# Altium PCB PCB_v5.PcbDoc (part 2 of 7)
Units mil, origin at the board's own origin, x right, y up, seen from the top; angles counter-clockwise.
Board outline 6750 x 6000 mil, 6 copper layers (Top Layer, Int1 (GND), Int2 (Sign), Int3 (Sign), Int4 (PWR), Bottom Layer), stack 61.067 mil thick; 472 components, 583 nets, 2516 pads, 977 vias.
Unrouted connection lines stored in the file: 28.
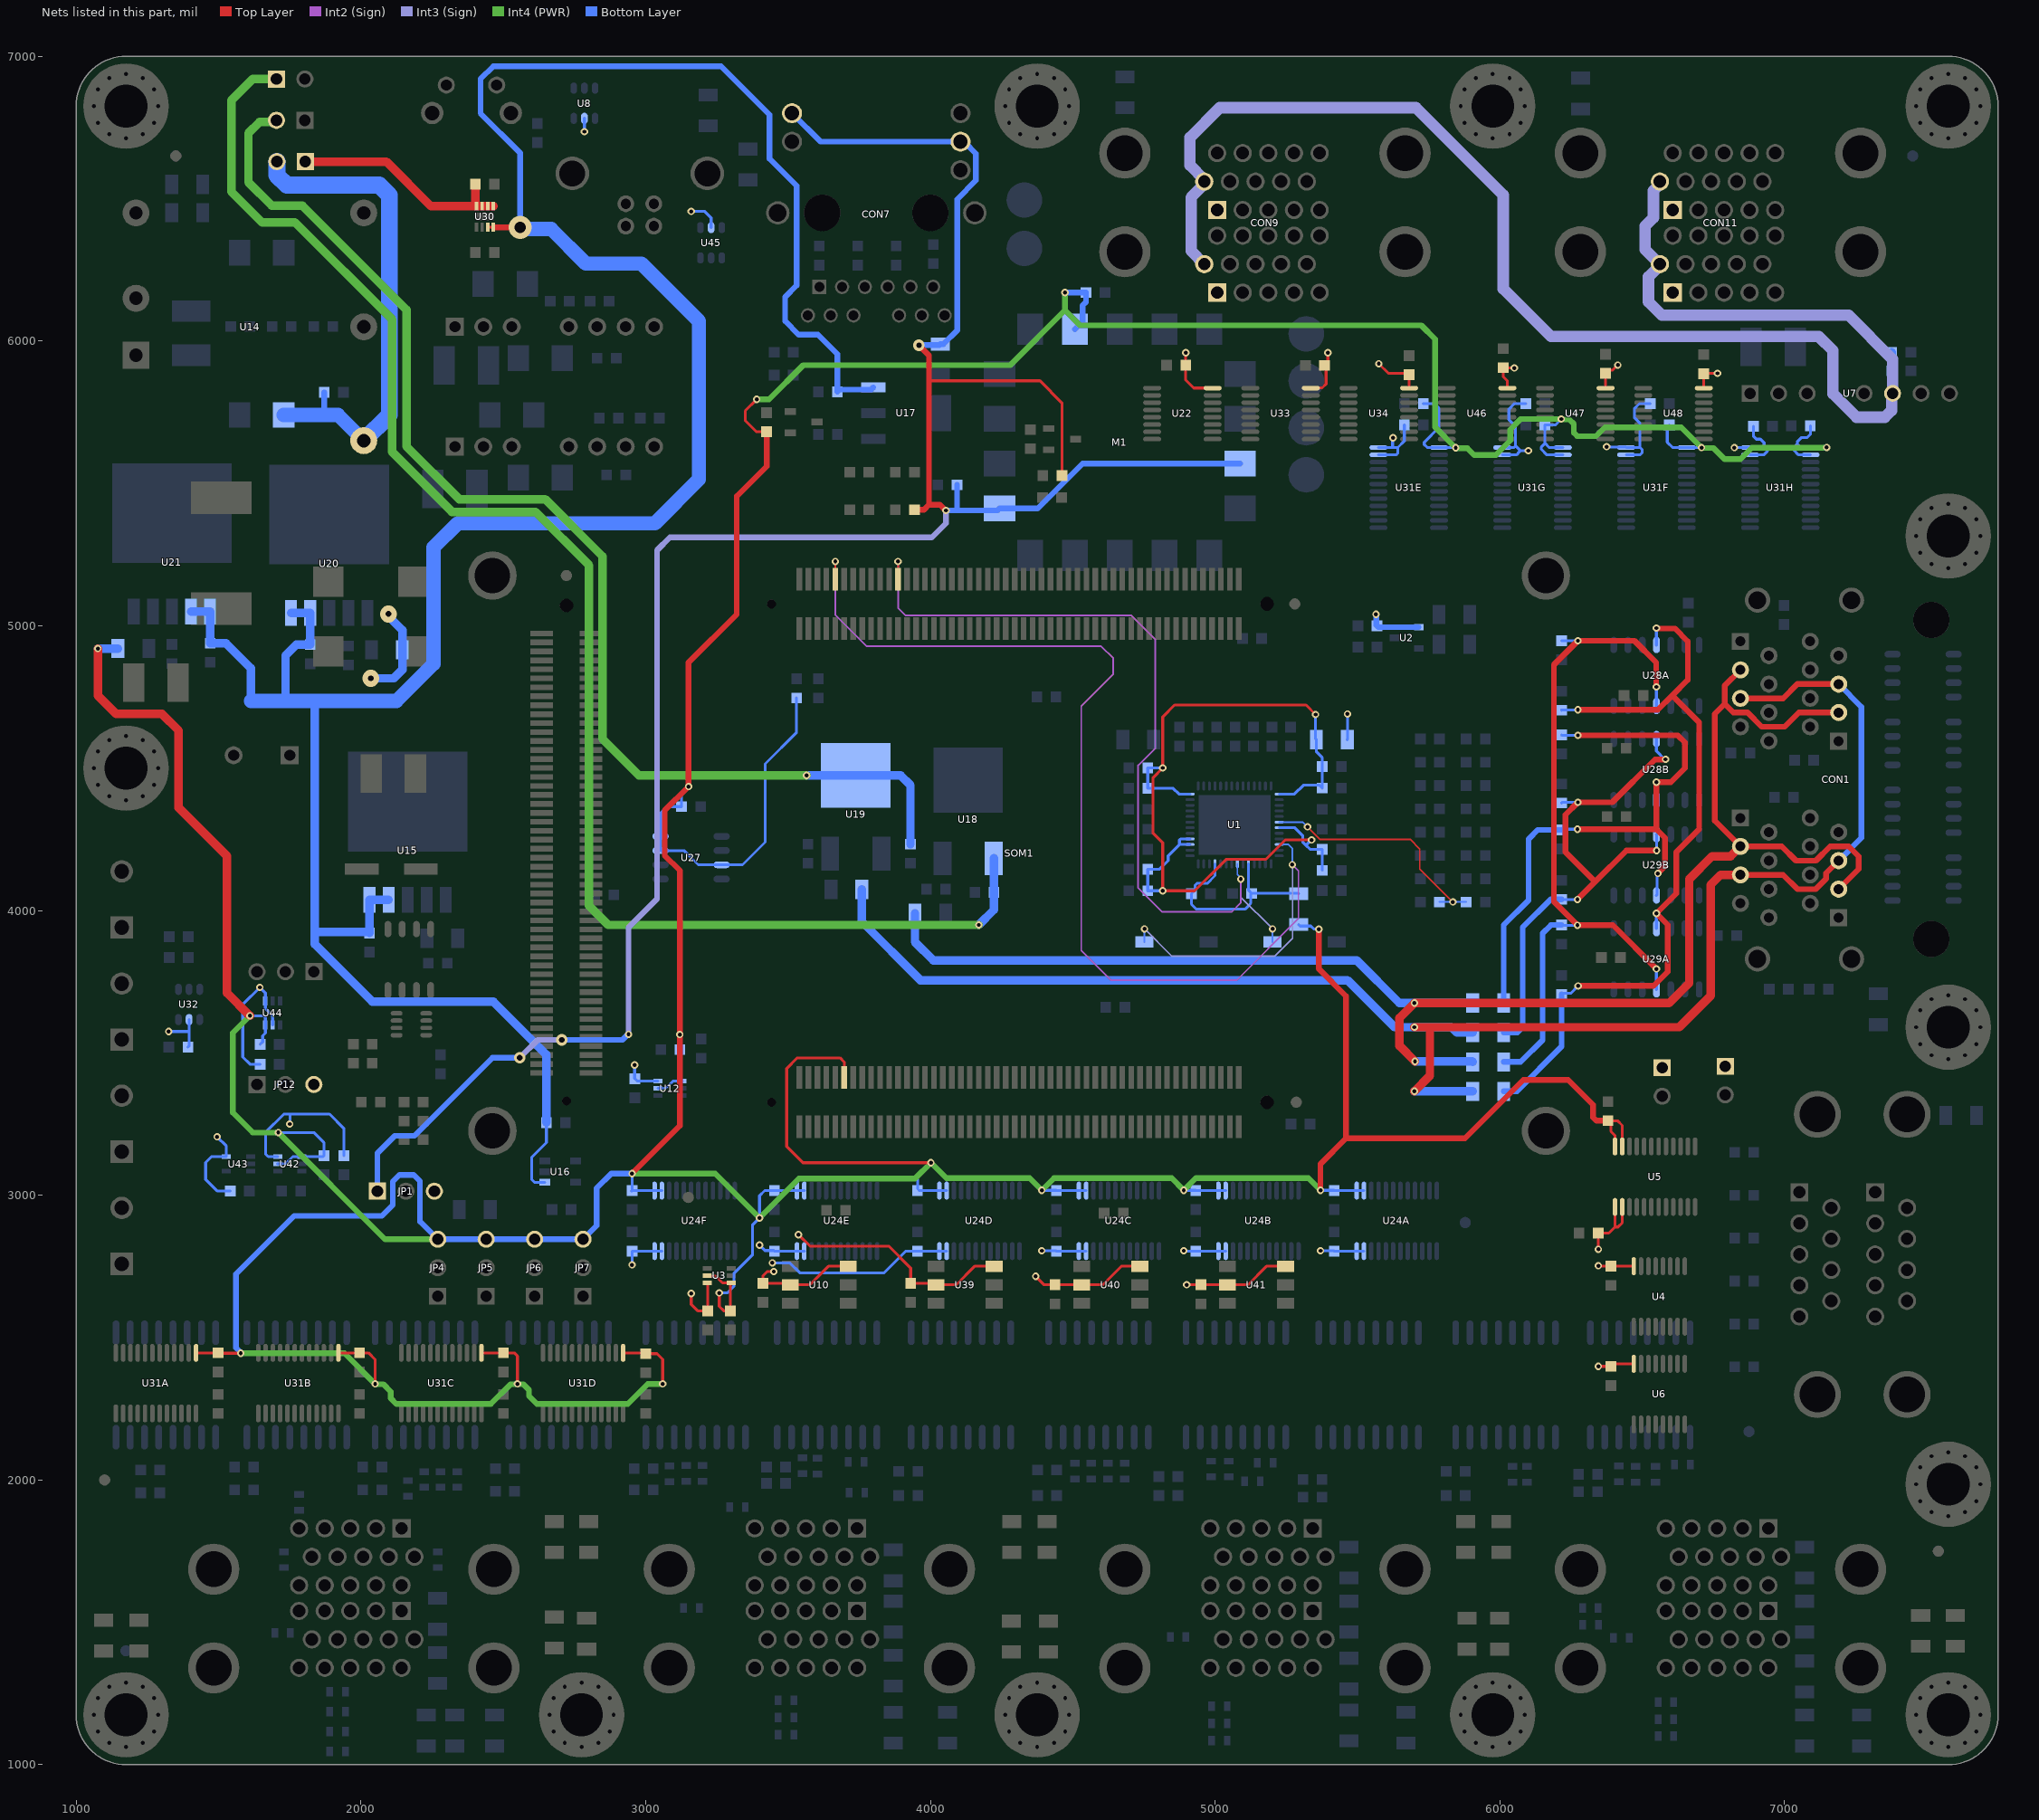
[diagram p6: the nets of this part, all layers, seen from the top]

## Footprints (in the part's own frame and the unit in brackets; to place one, negate y for a bottom-side part, rotate by r counter-clockwise, add the part's x,y. Pads: shape width x height; smd on the part's side, far side on the other; paste and mask are expansions set on the pad) (continued)
"CAP - UVR1H102MHD1TO" [mm] "CAP ALUM 1000UF 20% 50V RADIAL"
  rect 1.6x1.6 hole 1: 1(0,0)
  round 1.6 hole 1: 2(5.004,0)
  silkscreen extent -3.81,-6.35 8.89,6.35, body extent -3.75,-6.25 8.76,6.25, height 25.01
"CAP - UWT1V101MCL1GS" [mm] "100uF cap"
  rect 3x1 smd: 1(0.838,-3.302) 2(6.088,-3.302)
  silkscreen extent -0.79,-6.6 6.65,0, body extent 0.19,-6.44 6.49,-0.14, height 7.7
"CMC 744273801" [mm] "CMC 9UH 3.5A 2LN 800 OHM SMD"
  rect 2.7x2.7 smd: 1(0,0) 2(0,-6.2) 3(7.6,-6.223) 4(7.6,0)
  silkscreen extent -1.52,-7.75 9.02,1.52, body extent -0.89,-7.45 8.61,0.85, height 5.3
"DCDC SHHD003A0A41-SRZ" [mm] "DC/DC CONVERTER 15W 5V 3A"
  rect 2.4x2.4 hole 1.2: 1(-20.32,-12.7)
  round 2.4 hole 1.2: 2(-20.32,-7.62) 3(-20.32,0) 4(0,0) 5(0,-10.16) 6(0,-20.32)
  silkscreen extent -23.88,-22.86 4.44,2.16
DPAK229P991X238-3N [mm] "D-PAK, 3-Pads, Body 6.21x6.73mm (max), IPC Medium Density"
  rect 3x1.6 smd: 1(-4.08,2.285) 3(-4.08,-2.285)
  rect 5.8x6.2 smd: 4(2.9,0)
  silkscreen extent -4.22,-3.35 0.1,3.94, body extent -5.16,-3.37 4.75,3.37, height 2.38
FID_1mm [mm]
  round 1 smd mask+0.5: 1(0,0)
  Top Layer keep-out circle w0.1: c0,0 r1
IN-PI556FCH [mm] "LED RGB 5050 SMD"
  rect 1.5x1 smd: 1(2.6,-1.65) 2(2.6,0) 3(2.6,1.65) 4(-2.6,1.65) 5(-2.6,0) 6(-2.6,-1.65)
  silkscreen extent -2.5,-3.25 2.75,2.5, body extent -2.75,-2.5 2.75,2.5, height 1.55
JTAG-SMT3-NC [mm]
  rect 2.3x2.8 smd: 1(-8,1.4) 2(-4,1.4) 3(0,1.4) 4(4,1.4) 5(8,1.4) 10(8,21.6) 11(4,21.6) 12(0,21.6) 13(-4,21.6) 14(-8,21.6)
  rect 2.8x2.3 smd: 6(10.725,5.4) 7(10.725,9.4) 8(10.725,13.4) 9(10.725,17.4) 15(-10.725,17.4) 16(-10.725,13.4) 17(-10.725,9.4) 18(-10.725,5.4)
  silkscreen extent -11.9,0.1 11.9,22.7, body extent -11.33,0.68 11.42,22.18, height 2.52
L17H2220131 [mm] "CONN D-SUB RCPT 9POS R/A SLDR"
  rect 1.6x1.6 hole 1.1: 1B(5.54,2.84) 1T(5.54,9.6)
  round 1.6 hole 1.1: 2B(2.77,2.84) 2T(2.77,9.6) 3B(0,2.84) 3T(0,9.6) 4B(-2.77,2.84) 4T(-2.77,9.6) 5B(-5.54,2.84) 5T(-5.54,9.6) 6B(4.155,0) 6T(4.155,6.76) 7B(1.385,0) 7T(1.385,6.76) 8B(-1.385,0) 8T(-1.385,6.76) 9B(-4.155,0) 9T(-4.155,6.76)
  round 4.2 hole 3.2: SH1(-12.5,8) SH2(-12.5,0) SH3(12.5,0) SH4(12.5,8)
  silkscreen extent -15.5,-8.08 15.5,11.6, body extent -15.4,-13.8 15.41,11.6, height 31.67
L829-1J1T-43 [mil] "CONN MAGJACK 1PORT 1000 BASE-T"
  rect 50x50 hole 35.04: 1(-200,0)
  round 50 hole 35.04: 2(-120.08,0) 3(-40.08,0) 4(40,0) 5(119.92,0) 6(199.92,0) 7(-240,-100) 8(-160,-100) 9(-80,-100) 10(80,-100) 11(160,-100) 12(240,-100)
  round 70 hole 50: 13(-296,510) 14(-296,610) 15(296,410) 16(296,510) 17(296,610)
  round 82 hole 62: 18(-346,260) 19(346,260)
  round 127.95 hole 127.95: 20(-190,260) 21(190,260)
  silkscreen extent -346,-167 346,800, body extent -401,-167 401,800, height 493
MOUNTING_HOLE [mil]
  round 30 hole 14: 1(-112.5,0) 1(-98.43,-59.06) 1(-98.43,59.06) 1(-59.06,-98.43) 1(-59.06,98.43) 1(0,-112.5) 1(0,112.5) 1(59.06,-98.43) 1(59.06,98.43) 1(98.43,-59.06) 1(98.43,59.06) 1(112.5,0)
  round 300 hole 150: 1(0,0)
PicoZedSOM [mil] "PicoZed SOM Footprint"
  round 170 hole 125: 0(150,3850) 0(150,150) 0(2100,3850) 0(2100,150)
  round 30 hole 32.01 unplated: 0(250.5,2870) 0(255,3590) 0(2000.5,2870)
  round 45.98 hole 47.99 unplated: 0(250.5,1130) 0(1995,3590) 0(2000.5,1130)
  rect 80x20 smd: JX1-1(2087.11,2771.65) JX1-2(1913.89,2771.65) JX1-3(2087.11,2740.16) JX1-4(1913.89,2740.16) JX1-5(2087.11,2708.66) JX1-6(1913.89,2708.66) JX1-7(2087.11,2677.17) JX1-8(1913.89,2677.17) JX1-9(2087.11,2645.67) JX1-10(1913.89,2645.67) JX1-11(2087.11,2614.17) JX1-12(1913.89,2614.17) JX1-13(2087.11,2582.68) JX1-14(1913.89,2582.68) JX1-15(2087.11,2551.18) JX1-16(1913.89,2551.18) JX1-17(2087.11,2519.69) JX1-18(1913.89,2519.69) JX1-19(2087.11,2488.19) JX1-20(1913.89,2488.19) JX1-21(2087.11,2456.69) JX1-22(1913.89,2456.69) JX1-23(2087.11,2425.2) JX1-24(1913.89,2425.2) JX1-25(2087.11,2393.7) JX1-26(1913.89,2393.7) JX1-27(2087.11,2362.2) JX1-28(1913.89,2362.21) JX1-29(2087.11,2330.71) JX1-30(1913.89,2330.71) JX1-31(2087.11,2299.21) JX1-32(1913.89,2299.21) JX1-33(2087.11,2267.72) JX1-34(1913.89,2267.72) JX1-35(2087.11,2236.22) JX1-36(1913.89,2236.22) JX1-37(2087.11,2204.72) JX1-38(1913.89,2204.73) JX1-39(2087.11,2173.23) JX1-40(1913.89,2173.23) JX1-41(2087.11,2141.73) JX1-42(1913.89,2141.73) JX1-43(2087.11,2110.24) JX1-44(1913.89,2110.24) JX1-45(2087.11,2078.74) JX1-46(1913.89,2078.74) JX1-47(2087.11,2047.24) JX1-48(1913.89,2047.25) JX1-49(2087.11,2015.75) JX1-50(1913.89,2015.75) JX1-51(2087.11,1984.25) JX1-52(1913.89,1984.25) JX1-53(2087.11,1952.76) JX1-54(1913.89,1952.76) JX1-55(2087.11,1921.26) JX1-56(1913.89,1921.26) JX1-57(2087.11,1889.76) JX1-58(1913.89,1889.77) JX1-59(2087.11,1858.27) JX1-60(1913.89,1858.27) JX1-61(2087.11,1826.77) JX1-62(1913.89,1826.77) JX1-63(2087.11,1795.28) JX1-64(1913.89,1795.28) JX1-65(2087.11,1763.78) JX1-66(1913.89,1763.78) JX1-67(2087.11,1732.28) JX1-68(1913.89,1732.29) JX1-69(2087.11,1700.79) JX1-70(1913.89,1700.79) JX1-71(2087.11,1669.29) JX1-72(1913.89,1669.29) JX1-73(2087.11,1637.8) JX1-74(1913.89,1637.8) JX1-75(2087.11,1606.3) JX1-76(1913.89,1606.3) JX1-77(2087.11,1574.8) JX1-78(1913.89,1574.81) JX1-79(2087.11,1543.31) JX1-80(1913.89,1543.31) JX1-81(2087.11,1511.81) JX1-82(1913.89,1511.81) JX1-83(2087.11,1480.31) JX1-84(1913.89,1480.32) JX1-85(2087.11,1448.82) JX1-86(1913.89,1448.82) JX1-87(2087.11,1417.32) JX1-88(1913.89,1417.33) JX1-89(2087.11,1385.83) JX1-90(1913.89,1385.83) JX1-91(2087.11,1354.33) JX1-92(1913.89,1354.33) JX1-93(2087.11,1322.83) JX1-94(1913.89,1322.84) JX1-95(2087.11,1291.34) JX1-96(1913.89,1291.34) JX1-97(2087.11,1259.84) JX1-98(1913.89,1259.85) JX1-99(2087.11,1228.35) JX1-100(1913.89,1228.35) JX2-1(337.11,2771.65) JX2-2(163.89,2771.65) JX2-3(337.11,2740.16) JX2-4(163.89,2740.16) JX2-5(337.11,2708.66) JX2-6(163.89,2708.66) JX2-7(337.11,2677.17) JX2-8(163.89,2677.17) JX2-9(337.11,2645.67) JX2-10(163.89,2645.67) JX2-11(337.11,2614.17) JX2-12(163.89,2614.17) JX2-13(337.11,2582.68) JX2-14(163.89,2582.68) JX2-15(337.11,2551.18) JX2-16(163.89,2551.18) JX2-17(337.11,2519.69) JX2-18(163.89,2519.69) JX2-19(337.11,2488.19) JX2-20(163.89,2488.19) JX2-21(337.11,2456.69) JX2-22(163.89,2456.69) JX2-23(337.11,2425.2) JX2-24(163.89,2425.2) JX2-25(337.11,2393.7) JX2-26(163.89,2393.7) JX2-27(337.11,2362.2) JX2-28(163.89,2362.21) JX2-29(337.11,2330.71) JX2-30(163.89,2330.71) JX2-31(337.11,2299.21) JX2-32(163.89,2299.21) JX2-33(337.11,2267.72) JX2-34(163.89,2267.72) JX2-35(337.11,2236.22) JX2-36(163.89,2236.22) JX2-37(337.11,2204.72) JX2-38(163.89,2204.73) JX2-39(337.11,2173.23) JX2-40(163.89,2173.23) JX2-41(337.11,2141.73) JX2-42(163.89,2141.73) JX2-43(337.11,2110.24) JX2-44(163.89,2110.24) JX2-45(337.11,2078.74) JX2-46(163.89,2078.74) JX2-47(337.11,2047.24) JX2-48(163.89,2047.25) JX2-49(337.11,2015.75) JX2-50(163.89,2015.75) JX2-51(337.11,1984.25) JX2-52(163.89,1984.25) JX2-53(337.11,1952.76) JX2-54(163.89,1952.76) JX2-55(337.11,1921.26) JX2-56(163.89,1921.26) JX2-57(337.11,1889.76) JX2-58(163.89,1889.77) JX2-59(337.11,1858.27) JX2-60(163.89,1858.27) JX2-61(337.11,1826.77) JX2-62(163.89,1826.77) JX2-63(337.11,1795.28) JX2-64(163.89,1795.28) JX2-65(337.11,1763.78) JX2-66(163.89,1763.78) JX2-67(337.11,1732.28) JX2-68(163.89,1732.29) JX2-69(337.11,1700.79) JX2-70(163.89,1700.79) JX2-71(337.11,1669.29) JX2-72(163.89,1669.29) JX2-73(337.11,1637.8) JX2-74(163.89,1637.8) JX2-75(337.11,1606.3) JX2-76(163.89,1606.3) JX2-77(337.11,1574.8) JX2-78(163.89,1574.81) JX2-79(337.11,1543.31) JX2-80(163.89,1543.31) JX2-81(337.11,1511.81) JX2-82(163.89,1511.81) JX2-83(337.11,1480.31) JX2-84(163.89,1480.32) JX2-85(337.11,1448.82) JX2-86(163.89,1448.82) JX2-87(337.11,1417.32) JX2-88(163.89,1417.33) JX2-89(337.11,1385.83) JX2-90(163.89,1385.83) JX2-91(337.11,1354.33) JX2-92(163.89,1354.33) JX2-93(337.11,1322.83) JX2-94(163.89,1322.84) JX2-95(337.11,1291.34) JX2-96(163.89,1291.34) JX2-97(337.11,1259.84) JX2-98(163.89,1259.85) JX2-99(337.11,1228.35) JX2-100(163.89,1228.35)
  rect 20x80 smd: JX3-1(353.35,3676.61) JX3-2(353.35,3503.39) JX3-3(384.84,3676.61) JX3-4(384.84,3503.39) JX3-5(416.34,3676.61) JX3-6(416.34,3503.39) JX3-7(447.83,3676.61) JX3-8(447.83,3503.39) JX3-9(479.33,3676.61) JX3-10(479.33,3503.39) JX3-11(510.83,3676.61) JX3-12(510.83,3503.39) JX3-13(542.32,3676.61) JX3-14(542.32,3503.39) JX3-15(573.82,3676.61) JX3-16(573.82,3503.39) JX3-17(605.31,3676.61) JX3-18(605.31,3503.39) JX3-19(636.81,3676.61) JX3-20(636.81,3503.39) JX3-21(668.31,3676.61) JX3-22(668.31,3503.39) JX3-23(699.8,3676.61) JX3-24(699.8,3503.39) JX3-25(731.3,3676.61) JX3-26(731.3,3503.39) JX3-27(762.8,3676.61) JX3-28(762.79,3503.39) JX3-29(794.29,3676.61) JX3-30(794.29,3503.39) JX3-31(825.79,3676.61) JX3-32(825.79,3503.39) JX3-33(857.28,3676.61) JX3-34(857.28,3503.39) JX3-35(888.78,3676.61) JX3-36(888.78,3503.39) JX3-37(920.28,3676.61) JX3-38(920.27,3503.39) JX3-39(951.77,3676.61) JX3-40(951.77,3503.39) JX3-41(983.27,3676.61) JX3-42(983.27,3503.39) JX3-43(1014.76,3676.61) JX3-44(1014.76,3503.39) JX3-45(1046.26,3676.61) JX3-46(1046.26,3503.39) JX3-47(1077.76,3676.61) JX3-48(1077.75,3503.39) JX3-49(1109.25,3676.61) JX3-50(1109.25,3503.39) JX3-51(1140.75,3676.61) JX3-52(1140.75,3503.39) JX3-53(1172.24,3676.61) JX3-54(1172.24,3503.39) JX3-55(1203.74,3676.61) JX3-56(1203.74,3503.39) JX3-57(1235.24,3676.61) JX3-58(1235.23,3503.39) JX3-59(1266.73,3676.61) JX3-60(1266.73,3503.39) JX3-61(1298.23,3676.61) JX3-62(1298.23,3503.39) JX3-63(1329.72,3676.61) JX3-64(1329.72,3503.39) JX3-65(1361.22,3676.61) JX3-66(1361.22,3503.39) JX3-67(1392.72,3676.61) JX3-68(1392.71,3503.39) JX3-69(1424.21,3676.61) JX3-70(1424.21,3503.39) JX3-71(1455.71,3676.61) JX3-72(1455.71,3503.39) JX3-73(1487.2,3676.61) JX3-74(1487.2,3503.39) JX3-75(1518.7,3676.61) JX3-76(1518.7,3503.39) JX3-77(1550.2,3676.61) JX3-78(1550.19,3503.39) JX3-79(1581.69,3676.61) JX3-80(1581.69,3503.39) JX3-81(1613.19,3676.61) JX3-82(1613.19,3503.39) JX3-83(1644.69,3676.61) JX3-84(1644.68,3503.39) JX3-85(1676.18,3676.61) JX3-86(1676.18,3503.39) JX3-87(1707.68,3676.61) JX3-88(1707.67,3503.39) JX3-89(1739.17,3676.61) JX3-90(1739.17,3503.39) JX3-91(1770.67,3676.61) JX3-92(1770.67,3503.39) JX3-93(1802.17,3676.61) JX3-94(1802.16,3503.39) JX3-95(1833.66,3676.61) JX3-96(1833.66,3503.39) JX3-97(1865.16,3676.61) JX3-98(1865.15,3503.39) JX3-99(1896.65,3676.61) JX3-100(1896.65,3503.39)
  Top Layer keep-out circle w4: c150,150 r150
  Top Layer keep-out circle w4: c2100,3850 r150
  Top Layer keep-out circle w4: c150,3850 r150
  Top Layer keep-out circle w4: c2100,150 r150
  Bottom Layer keep-out circle w4: c150,150 r150
  Bottom Layer keep-out circle w4: c2100,3850 r150
  Bottom Layer keep-out circle w4: c150,3850 r150
  Bottom Layer keep-out circle w4: c2100,150 r150
  silkscreen extent 0,0 2250,4000, body extent -1,0 2250,4000, height 186
PIN_HEADER_1x2 [mil]
  rect 60x60 hole 40.16: 1(-50,0)
  round 60 hole 40.16: 2(50,0)
PIN_HEADER_1X3 [mil]
  rect 60x60 hole 40.16: 1(-100,0)
  round 60 hole 40.16: 2(0,0) 3(100,0)
PQQ6W-Q24-S24-S [mm] "DC-DC ISOLATED, 6 W, 9~36 VDC IN"
  rect 1.5x1.5 hole 1: 1(-5.08,0)
  round 1.5 hole 1: 2(-2.54,0) 3(0,0) 5(5.08,0) 6(7.62,0) 7(10.16,0) 8(12.7,0)
  silkscreen extent -7.17,-6.8 14.83,2.7, body extent -7.17,-6.8 14.83,2.7, height 12.05
PTCC1607X06N [mm] "Chip PTC, 2-Leads, Body 1.60x0.73mm, IPC Medium Density"
  rect 0.6x0.85 smd: 1(-0.7,0) 2(0.7,0)
  body extent -0.8,-0.4 0.8,0.4, height 0.39
QFN50P700X800X80_HS-53N [mm] "QFN, 52-Leads, Body 7.00x8.00mm, Pitch 0.50mm, Thermal Pad 5.41x6.45mm, IPC Medium Density"
  oval 0.8x0.25 smd mask+0.05: 1(-3.475,3.25) 2(-3.475,2.75) 3(-3.475,2.25) 4(-3.475,1.75) 5(-3.475,1.25) 6(-3.475,0.75) 7(-3.475,0.25) 8(-3.475,-0.25) 9(-3.475,-0.75) 10(-3.475,-1.25) 11(-3.475,-1.75) 12(-3.475,-2.25) 13(-3.475,-2.75) 14(-3.475,-3.25) 27(3.475,-3.25) 28(3.475,-2.75) 29(3.475,-2.25) 30(3.475,-1.75) 31(3.475,-1.25) 32(3.475,-0.75) 33(3.475,-0.25) 34(3.475,0.25) 35(3.475,0.75) 36(3.475,1.25) 37(3.475,1.75) 38(3.475,2.25) 39(3.475,2.75) 40(3.475,3.25)
  oval 0.25x0.8 smd mask+0.05: 15(-2.75,-3.975) 16(-2.25,-3.975) 17(-1.75,-3.975) 18(-1.25,-3.975) 19(-0.75,-3.975) 20(-0.25,-3.975) 21(0.25,-3.975) 22(0.75,-3.975) 23(1.25,-3.975) 24(1.75,-3.975) 25(2.25,-3.975) 26(2.75,-3.975) 41(2.75,3.975) 42(2.25,3.975) 43(1.75,3.975) 44(1.25,3.975) 45(0.75,3.975) 46(0.25,3.975) 47(-0.25,3.975) 48(-0.75,3.975) 49(-1.25,3.975) 50(-1.75,3.975) 51(-2.25,3.975) 52(-2.75,3.975)
  rect 5.3x6.4 smd mask+0.05: 53(0,0)
  silkscreen extent -4.47,-4.2 3.7,4.2, body extent -3.56,-4.06 3.56,4.06, height 0.8
RCU-0C [mm] "0603 PROBE PAD"
  rect 1x1.6 smd: 1(0,0)
  body extent -0.44,-0.8 0.46,0.8, height 1.12
RJSAE538004 [mil] "CONN MOD JACK 8P8C R/A SHIELDED"
  rect 60x60 hole 35: 1A(425,670) 1B(1045,670) 1C(75,325) 1D(695,325)
  round 60 hole 35: 2A(375,570) 2B(995,570) 2C(125,425) 2D(745,425) 3A(325,670) 3B(945,670) 3C(175,325) 3D(795,325) 4A(275,570) 4B(895,570) 4C(225,425) 4D(845,425) 5A(225,670) 5B(845,670) 5C(275,325) 5D(895,325) 6A(175,570) 6B(795,570) 6C(325,425) 6D(945,425) 7A(125,670) 7B(745,670) 7C(375,325) 7D(995,325) 8A(75,570) 8B(695,570) 8C(425,425) 8D(1045,425)
  round 88.58 hole 62: SH1(-70,610) SH2(-70,280) SH3(1190,610) SH4(1190,280)
  round 127.95 hole 128: ""(0,0) ""(1120,0)
  silkscreen extent -70,-230 1190,900, body extent -137,-450 1257,900, height 1094
"RS6 DCDC" [mm]
  rect 1.6x1.6 hole 1: 1(0,0)
  round 1.6 hole 1: 2(2.54,0) 3(5.08,0) 5(10.16,0) 6(12.7,0) 7(15.24,0) 8(17.78,0)
  silkscreen extent -2.16,-6.08 19.94,3.3, body extent -2.03,-5.97 19.81,3.17, height 11.1
"SOIC16_N - wide" [mm]
  oval 2.2x0.6 smd: 1(0,0) 2(0,-1.27) 3(0,-2.54) 4(0,-3.81) 5(0,-5.08) 6(0,-6.35) 7(0,-7.62) 8(0,-8.89) 9(9.32,-8.89) 10(9.32,-7.62) 11(9.32,-6.35) 12(9.32,-5.08) 13(9.32,-3.81) 14(9.32,-2.54) 15(9.32,-1.27) 16(9.32,0)
  silkscreen extent -0.12,-9.45 7.62,0.97, body extent -0.55,-9.57 9.75,0.63, height 3.5
SOIC127P600X175-8N [mm] "SOIC, 8-Leads, Body 4.90x3.90mm, Pitch 1.27mm, IPC Medium Density"
  oval 1.45x0.6 smd: 1(-2.725,1.905) 2(-2.725,0.635) 3(-2.725,-0.635) 4(-2.725,-1.905) 5(2.725,-1.905) 6(2.725,-0.635) 7(2.725,0.635) 8(2.725,1.905)
  silkscreen extent -2.85,-2.5 1.6,2.88, body extent -3,-2.5 3,2.5, height 1.75
SOIC127P600X175-14N [mm] "SOIC, 14-Leads, Body 8.65x3.90mm, Pitch 1.27mm, IPC Medium Density"
  oval 1.45x0.6 smd: 1(-2.725,3.81) 2(-2.725,2.54) 3(-2.725,1.27) 4(-2.725,0) 5(-2.725,-1.27) 6(-2.725,-2.54) 7(-2.725,-3.81) 8(2.725,-3.81) 9(2.725,-2.54) 10(2.725,-1.27) 11(2.725,0) 12(2.725,1.27) 13(2.725,2.54) 14(2.725,3.81)
  silkscreen extent -2.85,-4.35 1.6,4.78, body extent -3,-4.35 3,4.35, height 1.75
SON50P200X80_HS-9N [mm] "SON, 8-Leads, Body 2.00x2.00mm, Pitch 0.50mm, Thermal Pad 1.60x0.69mm, IPC Medium Density"
  rect 0.8x0.3 smd: 1(-0.945,0.75) 2(-0.945,0.25) 3(-0.945,-0.25) 4(-0.945,-0.75) 5(0.945,-0.75) 6(0.945,-0.25) 7(0.945,0.25) 8(0.945,0.75)
  rect 0.69x1.6 smd: 9(0,0)
  silkscreen extent -1.5,-1.2 1.05,1.25, body extent -1.1,-1.05 1.1,1.05, height 0.8
SOT23-3 [mm] "SOT23, 3-Leads, Body 2.9x1.3mm, Pitch 0.95mm, Lead Span 2.3mm - Reverse Pinning, IPC High Density"
  rect 0.6x0.85 smd: 1(-0.888,-1.013) 2(1.012,-1.013) 3(0.062,1.137)
  silkscreen extent -1.44,-0.24 1.56,1.54, body extent -1.44,-0.64 1.56,0.76, height 1.1
SOT65P210X110-5N [mm] "SOT23, 5-Leads, Body 2.00x2.10mm, Pitch 0.65mm, IPC Medium Density"
  rect 0.8x0.4 smd mask+0.05: 1(-1.075,0.65) 2(-1.075,0) 3(-1.075,-0.65) 4(1.075,-0.65) 5(1.075,0.65)
  silkscreen extent -1.2,-1.1 0.3,1.52, body extent -1.1,-1.1 1.1,1.1, height 1.1
SOT65P210X110-6N [mm] "SOT23, 6-Leads, Body 2.00x2.10mm, Pitch 0.65mm, IPC Medium Density"
  rect 0.8x0.4 smd mask+0.05: 1(-1.075,0.65) 2(-1.075,0) 3(-1.075,-0.65) 4(1.075,-0.65) 5(1.075,0) 6(1.075,0.65)
  silkscreen extent -1.2,-1.1 0.3,1.55, body extent -1.15,-1.1 1.15,1.1, height 1.1
SOT95P245X110-3N [mm] "SOT23, 3-Leads, Body 2.95x2.45mm, Pitch 0.95mm, IPC Medium Density"
  rect 1x0.6 smd: 1(-1.2,0.95) 2(-1.2,-0.95) 3(1.2,0)
  silkscreen extent -1.32,-1.55 0.7,1.92, body extent -1.3,-1.55 1.3,1.55, height 1.1
SOT95P280X145-5N [mm] "SOT23, 5-Leads, Body 2.90x2.80mm, Pitch 0.95mm, IPC Medium Density"
  rect 1x0.6 smd: 1(-1.375,0.95) 2(-1.375,0) 3(-1.375,-0.95) 4(1.375,-0.95) 5(1.375,0.95)
  silkscreen extent -1.5,-1.55 0.5,1.92, body extent -1.5,-1.53 1.5,1.53, height 1.45
SOT230P700X180-4N [mm] "SOT223, 4-Leads, Body 6.50x7.00mm (avg), Pitch 2.30mm, IPC Medium Density"
  rect 2.15x0.9 smd: 1(-2.925,2.3) 2(-2.925,0) 3(-2.925,-2.3)
  rect 2.15x3.2 smd: 4(2.925,0)
  silkscreen extent -3.05,-3.35 1.55,3.42, body extent -3.5,-3.35 3.5,3.35, height 1.8
TP-125 [mil] "Test Point 125mil"
  round 125 smd: 1(0,0)
  silkscreen extent -80,-80 80,80
TSOP65P280X100-8N [mm] "TSOP, 8-Leads, Body 2.90x1.60mm, Pitch 0.65mm, IPC Medium Density"
  oval 1.05x0.4 smd: 1(-1.325,0.975) 2(-1.325,0.325) 3(-1.325,-0.325) 4(-1.325,-0.975) 5(1.325,-0.975) 6(1.325,-0.325) 7(1.325,0.325) 8(1.325,0.975)
  silkscreen extent -1.45,-1.45 0.4,1.9, body extent -1.4,-1.45 1.4,1.45, height 1
TSOP65P640X120-16N [mm] "TSOP, 16-Leads, Body 5.00x4.40mm, Pitch 0.65mm, IPC Medium Density"
  oval 1.6x0.4 smd mask+0.05: 1(-2.7,2.275)
  oval 1.6x0.4 smd: 2(-2.7,1.625) 3(-2.7,0.975) 4(-2.7,0.325) 5(-2.7,-0.325) 6(-2.7,-0.975) 7(-2.7,-1.625) 8(-2.7,-2.275) 9(2.7,-2.275) 10(2.7,-1.625) 11(2.7,-0.975) 12(2.7,-0.325) 13(2.7,0.325) 14(2.7,0.975) 15(2.7,1.625) 16(2.7,2.275)
  silkscreen extent -2.82,-2.55 1.85,3.15, body extent -3.2,-2.55 3.2,2.55, height 1.2
TSOP65P640X120-24N [mm] "TSOP, 24-Leads, Body 7.80x4.40mm, Pitch 0.65mm, IPC Medium Density"
  oval 1.6x0.4 smd: 1(-2.7,3.575) 2(-2.7,2.925) 3(-2.7,2.275) 4(-2.7,1.625) 5(-2.7,0.975) 6(-2.7,0.325) 7(-2.7,-0.325) 8(-2.7,-0.975) 9(-2.7,-1.625) 10(-2.7,-2.275) 11(-2.7,-2.925) 12(-2.7,-3.575) 13(2.7,-3.575) 14(2.7,-2.925) 15(2.7,-2.275) 16(2.7,-1.625) 17(2.7,-0.975) 18(2.7,-0.325) 19(2.7,0.325) 20(2.7,0.975) 21(2.7,1.625) 22(2.7,2.275) 23(2.7,2.925) 24(2.7,3.575)
  silkscreen extent -2.82,-3.95 1.85,4.45, body extent -3.2,-3.95 3.2,3.95, height 1.2
TSOP95P280X110-6N [mm] "TSOP, 6-Leads, Body 3.00x1.50mm, Pitch 0.95mm, IPC Medium Density"
  oval 1x0.6 smd: 1(-1.35,0.95) 2(-1.35,0) 3(-1.35,-0.95) 4(1.35,-0.95) 5(1.35,0) 6(1.35,0.95)
  silkscreen extent -1.47,-1.55 0.45,1.92, body extent -1.37,-1.55 1.37,1.55, height 1.1
UJ2-BH-4-TH [mm] "CONN RCPT USB2.0 TYPEB 4POS R/A"
  round 1.5 hole 0.92: 1(1.25,14.99) 2(-1.25,14.99) 3(-1.25,12.99) 4(1.25,12.99)
  round 3 hole 2.3: SH(-6.02,10.28) SH(6.02,10.28)
  silkscreen extent -6.02,0 6.02,16.5, body extent -7.5,0.05 7.5,16.5, height 11.1
